# Allegro board RK_EVB7_RK3588_LP4XD200P232SD8_V11_20230111YWQ.brd (continued)
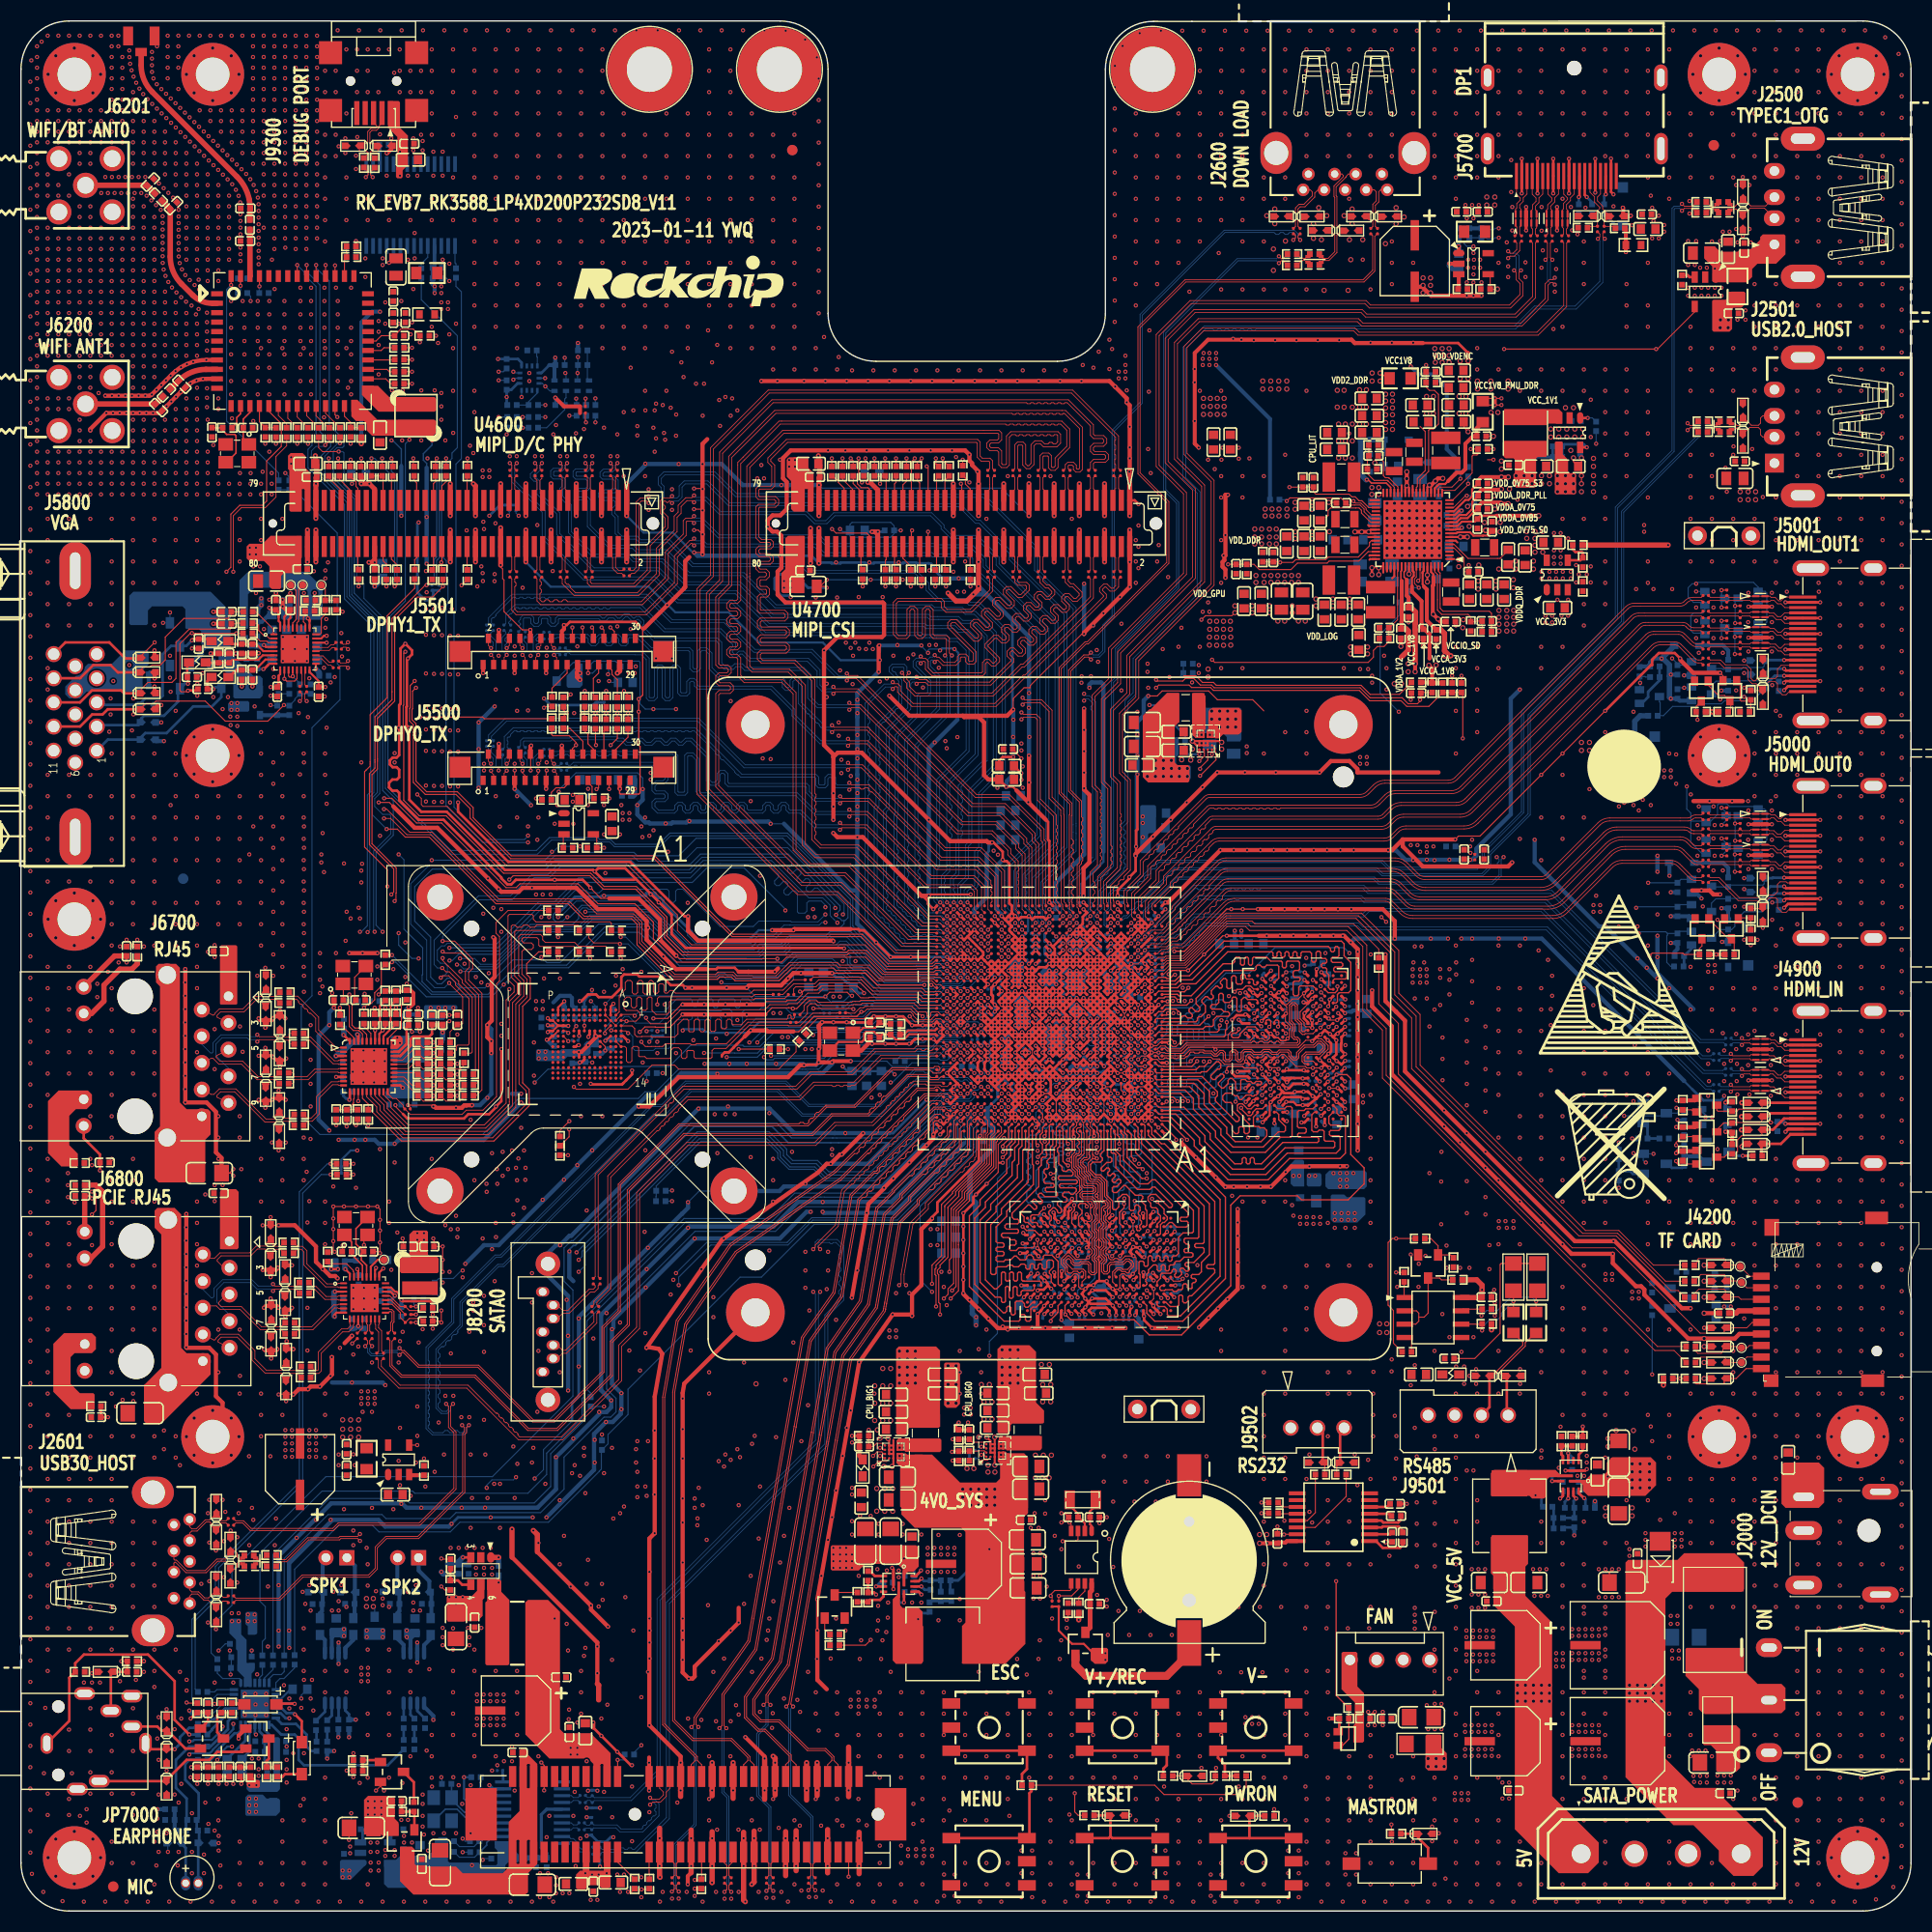
[diagram p0: board, top side]
## Routing (per net, layer and track width the routed paths; a pad name or vN(x,y) marks a point on that pad's centre or on a via; arc(x,y) is an arc through that point) (continued)
DP1_TX1N_PORT: length 6.1
  TOP w0.076: J5700.6 144.93,163.52 144.57,163.16 144.57,162.71 144.23,162.37 144.23,162.03 144.34,161.92 U5700.6 U5700.5 144.34,160.3 144.23,160.19 144.23,159.71 C5702.2
DP1_TX1P: length 104.1
  TOP w0.076: C5704.1 145.37,158.86 145.37,157.45 v1(145.19,157.26) ; v1(146.08,154.89) 145.89,155.08 145.67,155.08 145.44,154.85 145.44,153.44 142.94,150.94 127.7,150.94 127.42,151.22 127.27,151.37 112.23,151.37 110.13,149.27 110.13,138.39 112.72,135.8 112.72,126.58 105.59,119.45 105.59,115.89 104.04,114.34 104.04,108.12 104.7,107.46 104.7,104.54 104.79,104.45 104.79,104.22 104.7,104.13 104.7,103.9 104.79,103.81 104.79,103.58 104.7,103.49 104.7,103.3 104.8,103.2 104.8,102.97 104.7,102.87 104.7,102.64 104.8,102.54 104.8,102.31 104.7,102.21 104.7,101.98 104.8,101.87 104.8,101.65 104.7,101.54 104.7,101.32 104.8,101.21 104.8,100.99 104.7,100.88 104.7,100.66 104.8,100.55 104.8,100.33 104.7,100.22 104.7,100 104.8,99.89 104.8,99.67 104.7,99.56 104.7,99.25 103.38,97.93 103.38,96.09 103.45,96.02 103.45,95.74 U1000.AP9
  BOTTOM w0.076: v1(146.08,154.89) 145.89,155.08 145.61,155.08 145.37,155.32 145.37,157.07 v1(145.19,157.26)
DP1_TX1P_PORT: length 6.1
  TOP w0.076: J5700.4 143.93,163.5 144.29,163.14 144.29,162.82 143.95,162.49 143.95,162.06 143.84,161.95 U5700.7 U5700.4 143.84,160.3 143.95,160.19 143.95,159.72 C5701.2
DP1_TX2N: length 102
  TOP w0.076: U1000.AP10 102.82,98.39 103.78,99.35 103.78,99.6 103.91,99.73 103.91,99.96 103.78,100.09 103.78,100.32 103.91,100.44 103.91,100.67 103.78,100.8 103.78,101.03 103.91,101.15 103.91,101.38 103.78,101.51 103.78,106.99 103.17,107.6 103.17,115.33 104.72,116.88 104.72,119.8 111.86,126.94 111.86,135.44 109.25,138.05 109.25,149.67 111.82,152.23 127.63,152.23 128.05,151.81 142.41,151.81 144.23,153.63 144.23,158.86 C5702.1
DP1_TX2N_PORT: length 6.2
  TOP w0.076: J5700.9 146.43,163.52 146.07,163.16 146.07,162.76 145.68,162.37 145.68,162.11 145.79,162 U5701.9 U5701.2 145.79,160.41 145.68,160.3 145.68,159.69 C5705.2
DP1_TX2P: length 102.5
  TOP w0.076: U1000.AN10 102.53,95.37 102.53,95.85 102.54,95.86 102.54,98.5 103.51,99.47 103.51,106.87 102.9,107.48 102.9,115.45 104.44,117 104.44,119.92 111.58,127.05 111.58,135.33 108.97,137.93 108.97,149.78 111.7,152.51 127.75,152.51 128.17,152.09 142.29,152.09 143.95,153.75 143.95,158.86 C5701.1
DP1_TX2P_PORT: length 6.2
  TOP w0.076: C5704.2 145.4,159.74 145.4,160.23 145.29,160.34 U5701.1 U5701.10 145.29,162 145.4,162.11 145.4,162.49 145.79,162.88 145.79,163.14 145.43,163.5 J5700.7
DP1_TX3N: length 104.1
  TOP w0.076: U1000.AN11 101.83,95.42 101.83,98.94 102.51,99.62 102.51,106.59 102.01,107.1 102.01,115.78 103.58,117.36 103.58,120.28 110.71,127.41 110.71,134.97 108.11,137.57 108.11,150.14 111.34,153.37 128.1,153.37 128.53,152.95 141.76,152.95 142.75,153.94 142.75,155.01 142.39,155.37 142.39,156.06 v1(142.2,156.25) ; C5703.1 142.73,158.86 142.73,158.12 142.22,157.6 141.82,157.6 v1(141.63,157.42)
  BOTTOM w0.076: v1(142.2,156.25) 142.39,156.44 142.39,157.53 142.31,157.6 141.82,157.6 v1(141.63,157.42)
DP1_TX3N_PORT: length 6.2
  TOP w0.076: C5707.2 147.18,159.74 147.18,160.19 147.29,160.3 U5701.5 U5701.6 147.29,162 147.19,162.1 147.19,162.51 147.57,162.89 147.57,163.16 147.93,163.52 J5700.12
DP1_TX3P: length 104.6
  TOP w0.076: v1(142.85,156.25) 142.67,156.06 142.67,155.48 143.03,155.12 143.03,153.82 141.87,152.67 128.41,152.67 127.99,153.09 111.46,153.09 108.39,150.02 108.39,137.69 110.99,135.09 110.99,127.29 103.86,120.16 103.86,117.24 102.29,115.67 102.29,107.22 102.79,106.71 102.79,106.52 102.9,106.42 102.9,106.19 102.79,106.09 102.79,105.96 102.9,105.86 102.9,105.63 102.79,105.53 102.79,105.3 102.9,105.2 102.9,104.97 102.79,104.87 102.79,104.64 102.9,104.54 102.9,104.31 102.79,104.21 102.79,103.98 102.9,103.88 102.9,103.65 102.79,103.55 102.79,103.32 102.9,103.22 102.9,102.99 102.79,102.89 102.79,102.66 102.9,102.56 102.9,102.33 102.79,102.23 102.79,101.93 102.92,101.81 102.92,101.58 102.79,101.45 102.79,101.22 102.92,101.09 102.92,100.87 102.79,100.74 102.79,100.51 102.92,100.38 102.92,100.15 102.79,100.03 102.79,99.51 102.11,98.82 102.11,98.08 102.26,97.92 102.26,97.69 102.11,97.54 102.11,97.31 102.26,97.16 102.26,96.93 102.11,96.78 102.11,96.55 102.26,96.4 102.26,96.17 102.11,96.02 102.11,95.79 U1000.AP11 ; C5700.1 142.45,158.86 142.45,158.23 142.11,157.88 141.82,157.88 v1(141.63,158.07)
  BOTTOM w0.076: v1(142.85,156.25) 142.67,156.44 142.67,157.64 142.43,157.88 141.82,157.88 v1(141.63,158.07)
DP1_TX3P_PORT: length 6.2
  TOP w0.076: C5706.2 146.9,159.69 146.9,160.25 146.79,160.36 U5701.4 U5701.7 146.79,162 146.91,162.12 146.91,162.63 147.29,163.01 147.29,163.14 146.93,163.5 J5700.10
DP_AUXN: length 1.7
  TOP w0.076: U5800.14 26.68,117.88 26.76,117.8 26.76,116.82 C5800.2
DP_AUXP: length 1.7
  TOP w0.076: U5800.15 27.08,117.9 27.04,117.86 27.04,116.78 C5801.2
DP_RX0N: length 2
  TOP w0.076: U5800.19 28.3,119.59 28.36,119.53 28.76,119.53 29.37,118.92 29.63,118.92 C5809.2
DP_RX0P: length 2
  TOP w0.076: C5808.2 29.51,118.64 29.26,118.64 28.64,119.25 28.43,119.25 28.37,119.19 U5800.18
DP_RX1N: length 2.1
  TOP w0.076: U5800.21 28.39,120.39 28.45,120.34 29.25,120.34 29.5,120.59 29.78,120.59 C5816.2
DP_RX1P: length 2.1
  TOP w0.076: C5810.2 29.87,120.31 29.62,120.31 29.36,120.06 28.47,120.06 28.41,119.99 U5800.20
DP_TX_AUXN: length 6.8
  TOP w0.076: J5700.17 150.43,163.52 150.14,163.24 150.14,162.87 150.64,162.37 150.64,162.1 ED5700.1 150.77,160.85 C5709.2 151.67,160.44 R5703.2
DP_TX_AUXP: length 6.7
  TOP w0.076: R5700.2 149.32,160.44 C5708.2 150.14,160.96 ED5701.1 150.36,162.15 150.36,162.25 149.86,162.75 149.86,163.26 149.43,163.69 J5700.15
DP_TX_HPD_PORT: length 2.8
  TOP w0.254: v1(150.93,163.49) J5700.18
  BOTTOM w0.254: v1(150.93,163.49) 150.77,163.34 R5706.2
DPHY0_RX_CLKN: length 2.5
  TOP w0.076: R4608.2 51.82,136.52 51.82,135.44 52.08,135.18 U4600.15
DPHY0_RX_CLKP: length 2.5
  TOP w0.076: U4600.17 51.28,135.12 51.54,135.38 51.54,136.52 R4610.2
DPHY0_RX_D0N: length 2.5
  TOP w0.076: U4600.3 56.88,135.21 56.62,135.47 56.62,136.52 R4600.2
DPHY0_RX_D0P: length 2.5
  TOP w0.076: R4602.2 56.34,136.51 56.34,135.48 56.08,135.22 U4600.5
DPHY0_RX_D1N: length 2.5
  TOP w0.076: R4604.2 54.22,136.52 54.22,135.46 54.48,135.19 U4600.9
DPHY0_RX_D1P: length 2.5
  TOP w0.076: R4606.2 53.94,136.52 53.94,135.49 53.68,135.23 U4600.11
DPHY0_RX_D2N: length 2.5
  TOP w0.076: R4612.2 49.6,136.43 49.42,136.26 49.42,135.43 49.68,135.17 U4600.21
DPHY0_RX_D2P: length 2.5
  TOP w0.076: R4614.2 48.96,136.43 49.14,136.26 49.14,135.39 48.88,135.13 U4600.23
DPHY0_RX_D3N: length 2.5
  TOP w0.076: R4616.2 47.02,136.52 47.02,135.42 47.28,135.16 U4600.27
DPHY0_RX_D3P: length 2.5
  TOP w0.076: U4600.29 46.48,135.14 46.74,135.4 46.74,136.52 R4618.2
DPHY0_RX_MCLK: length 2.3
  TOP w0.104: U4600.39 42.48,136.64 R4620.2
DPHY0_TX_CLKN: length 2.4
  TOP w0.076: J5500.8 47.51,109.51 v1(47.76,109.26)
  BOTTOM w0.076: v1(47.76,109.26) 47.85,109.26 47.92,109.33 47.92,109.5 47.6,109.82 47.6,110.1 R5504.1
DPHY0_TX_CLKP: length 3.1
  TOP w0.076: v1(47.76,108.6) 47.76,108.39 48.01,108.14 J5500.9
  BOTTOM w0.076: R5505.2 47.88,110.16 47.88,109.93 48.2,109.61 48.2,109.04 v1(47.76,108.6)
DPHY0_TX_D0N: length 3
  TOP w0.076: v1(44.76,109.26) 44.51,109.51 J5500.2
  BOTTOM w0.076: v1(44.76,109.26) 44.96,109.45 44.96,109.8 44.5,110.25 44.5,110.79 R5501.1
DPHY0_TX_D0P: length 3.8
  TOP w0.076: J5500.3 45.01,108.22 44.76,108.47 v1(44.76,108.6)
  BOTTOM w0.076: v1(44.76,108.6) 45.24,109.08 45.24,109.91 44.78,110.37 44.78,110.74 R5500.2
DPHY0_TX_D1N: length 2.8
  TOP w0.076: v1(46.26,108.6) 46.01,108.35 J5500.5
  BOTTOM w0.076: R5502.2 45.87,109.9 45.82,109.84 45.82,109.04 v1(46.26,108.6)
DPHY0_TX_D1P: length 2.1
  TOP w0.076: J5500.6 46.51,109.51 v1(46.26,109.26)
  BOTTOM w0.076: R5503.1 46.1,109.72 46.1,109.42 v1(46.26,109.26)
DPHY0_TX_D2N: length 3.8
  TOP w0.076: J5500.11 49.01,108.08 49.26,108.33 v1(49.26,108.6)
  BOTTOM w0.076: v1(49.26,108.6) 49.25,108.6 48.79,109.06 48.79,109.8 49.38,110.39 49.57,110.39 R5506.2
DPHY0_TX_D2P: length 2.5
  TOP w0.076: v1(49.26,109.26) 49.51,109.51 J5500.12
  BOTTOM w0.076: R5507.1 49.7,110.11 49.49,110.11 49.07,109.69 49.07,109.39 49.2,109.26 v1(49.26,109.26)
DPHY0_TX_D3N: length 1.9
  TOP w0.076: J5500.14 50.51,109.51 v1(50.76,109.26)
  BOTTOM w0.076: R5508.1 51.25,109.07 50.95,109.07 v1(50.76,109.26)
DPHY0_TX_D3P: length 1.9
  TOP w0.076: J5500.15 51.01,108.35 v1(50.76,108.6)
  BOTTOM w0.076: R5509.2 51.33,108.79 50.95,108.79 v1(50.76,108.6)
DPHY1_RX_CLKN: length 2.6
  TOP w0.076: R4609.1 51.82,127.72 51.82,128.9 52.08,129.16 U4600.16
DPHY1_RX_CLKP: length 2.6
  TOP w0.076: R4611.1 51.54,127.72 51.54,128.89 51.28,129.15 U4600.18
DPHY1_RX_D0N: length 3.1
  TOP w0.076: R4601.1 57.31,127.68 56.92,127.68 56.62,127.98 56.62,128.9 56.88,129.16 U4600.4
DPHY1_RX_D0P: length 3.6
  TOP w0.076: U4600.6 56.08,129.15 56.34,128.89 56.34,127.86 56.81,127.4 57.2,127.4 R4603.1
DPHY1_RX_D1N: length 2.6
  TOP w0.076: R4605.1 54.22,127.72 54.22,128.9 54.48,129.16 U4600.10
DPHY1_RX_D1P: length 2.6
  TOP w0.076: U4600.12 53.68,129.15 53.94,128.89 53.94,127.72 R4607.1
DPHY1_RX_D2N: length 2.6
  TOP w0.076: U4600.22 49.68,129.2 49.42,128.94 49.42,127.72 R4613.1
DPHY1_RX_D2P: length 2.6
  TOP w0.076: U4600.24 48.88,129.24 49.14,128.98 49.14,127.72 R4615.1
DPHY1_RX_D3N: length 2.6
  TOP w0.076: R4617.1 47.02,127.72 47.02,128.95 47.28,129.21 U4600.28
DPHY1_RX_D3P: length 2.6
  TOP w0.076: U4600.30 46.48,129.22 46.74,128.96 46.74,127.72 R4619.1
DPHY1_RX_MCLK: length 2.2
  TOP w0.104: U4600.40 42.48,127.76 R4621.1
DPHY1_TX_CLKN: length 2.4
  TOP w0.076: v1(47.76,120.28) 47.51,120.53 J5501.8
  BOTTOM w0.076: R5534.1 47.6,121.12 47.6,120.87 47.92,120.54 47.92,120.36 47.85,120.28 v1(47.76,120.28)
DPHY1_TX_CLKP: length 3.1
  TOP w0.076: v1(47.76,119.63) 48.01,119.38 J5501.9
  BOTTOM w0.076: R5535.2 47.88,121.18 47.88,120.98 48.2,120.66 48.2,120.07 v1(47.76,119.63)
DPHY1_TX_D0N: length 3
  TOP w0.076: J5501.2 44.51,120.53 v1(44.76,120.28)
  BOTTOM w0.076: v1(44.76,120.28) 44.96,120.48 44.96,120.83 44.45,121.34 44.45,121.86 R5531.1
DPHY1_TX_D0P: length 3.9
  TOP w0.076: v1(44.76,119.63) 45.01,119.38 J5501.3
  BOTTOM w0.076: R5530.2 44.73,121.71 44.73,121.45 45.24,120.95 45.24,120.1 v1(44.76,119.63)
DPHY1_TX_D1N: length 3.8
  TOP w0.076: J5501.5 46.01,119.38 v1(46.26,119.63)
  BOTTOM w0.076: R5532.2 46.18,121.79 46.18,121.64 45.82,121.29 45.82,120.05 46.25,119.63 v1(46.26,119.63)
DPHY1_TX_D1P: length 3.2
  TOP w0.076: v1(46.26,120.28) 46.51,120.53 J5501.6
  BOTTOM w0.076: v1(46.26,120.28) 46.1,120.44 46.1,120.56 46.25,120.71 46.25,120.82 46.1,120.97 46.1,121.17 46.25,121.33 46.38,121.33 46.46,121.4 46.46,121.79 R5533.1
DPHY1_TX_D2N: length 4.1
  TOP w0.076: J5501.11 49.01,119.38 v1(49.26,119.63)
  BOTTOM w0.076: v1(49.26,119.63) 49.25,119.63 48.79,120.09 48.79,121.27 49.14,121.62 49.65,121.62 R5536.2
DPHY1_TX_D2P: length 3.4
  TOP w0.076: v1(49.26,120.28) 49.51,120.53 J5501.12
  BOTTOM w0.076: R5537.1 49.62,121.34 49.26,121.34 49.07,121.15 49.07,121.02 49.14,120.94 49.3,120.94 49.36,120.88 49.36,120.75 49.3,120.69 49.17,120.69 49.07,120.58 49.07,120.36 49.14,120.28 v1(49.26,120.28)
DPHY1_TX_D3N: length 1.7
  TOP w0.076: J5501.14 50.51,120.53 v1(50.76,120.28)
  BOTTOM w0.076: v1(50.76,120.28) 50.88,120.16 51.22,120.16 R5538.1
DPHY1_TX_D3P: length 1.7
  TOP w0.076: J5501.15 51.01,119.38 v1(50.76,119.63)
  BOTTOM w0.076: v1(50.76,119.63) 50.89,119.76 51.23,119.76 R5539.2
DPHY_HSYNC: length 3.4
  TOP w0.104: U4600.59 34.48,136.58 R4642.2 R4651.2
DPHY_VSYNC: length 2.4
  TOP w0.104: U4600.57 35.28,136.55 R4630.2
EMMC_CLKOUT: length 29.9
  TOP w0.086: v1(52.65,78.49) 52.87,78.27 57.81,78.27 60.1,80.56 62.26,80.56 62.64,80.18 72.16,80.18 73.81,81.83 73.81,82.59 R1317.2 ; U4000.M6 52.12,82.85 v1(52.12,82.84)
  L3-POWER1 w0.079: v1(52.12,82.84) 52.35,82.6 52.35,78.79 v1(52.65,78.49)
  BOTTOM w0.086: C4005.1 52.2,82.92 v1(52.12,82.84)
EMMC_CMD: length 24.8
  TOP w0.086: v1(52.12,83.63) 51.93,83.82 U4000.M5 ; R1310.2 73.29,84.65 69.23,84.65 67.18,82.59 64.32,82.59 64.22,82.49 63.85,82.49 63.75,82.59 61.37,82.59 61.11,82.34 60.78,82.34 60.78,82.33 60.41,82.33 60.41,82.34 60.03,82.34 60.03,82.33 59.66,82.33 59.66,82.34 59.46,82.34 59.08,82.71 v1(59.08,82.78)
  L6-S2 w0.079: v1(59.08,82.78) 58.45,83.42 58.45,83.6 58,84.05 56.86,84.05 56.41,84.5 54.67,84.5 54.03,83.86 53.09,83.86 53.06,83.83 52.7,83.83 52.67,83.86 52.35,83.86 v1(52.12,83.63)
  BOTTOM w0.086: v1(52.12,83.63) 52.03,83.71 R4000.2
EMMC_CMD/FSPI_CLK: length 14.9
  TOP w0.086: 79.58,86.33 79.31,86.33 79.24,86.25 75.8,86.25 75.65,86.41 75.28,86.41 75.27,86.4 75.16,86.4 74.89,86.13 74.89,85.45 74.07,84.62 73.81,84.62
  TOP w0.089: U1000.W34 85.51,85.98 85.05,86.44 80.1,86.44 80,86.33 79.58,86.33
EMMC_D0: length 28.7
  TOP w0.086: U4000.A3 57.6,84.82 v1(57.67,84.74) 58.57,84.74 58.95,85.13 58.95,85.51 58.7,85.77 57.63,85.77 57.43,85.97 57.43,86.78 57.68,87.04 57.96,87.04 58.11,86.88 58.11,86.17 58.26,86.02 58.48,86.02 58.63,86.17 58.63,86.88 58.78,87.04 58.97,87.04 59.12,86.88 59.12,85.93 59.27,85.78 59.49,85.78 59.64,85.93 59.64,86.88 59.79,87.04 60.01,87.04 60.1,86.95 60.1,85.77 60.48,85.38 61.49,85.38 61.75,85.64 61.75,86.57 61.96,86.78 69.78,86.78 69.9,86.91 72.73,86.91 73.09,87.27 R1306.2
  BOTTOM w0.086: v1(57.67,84.74) 57.18,84.25 R4001.2
EMMC_D0/FSPI_D0: length 15.8
  TOP w0.086: 80.16,88.18 79.94,88.4 76.09,88.4 75.71,88.02 75.51,88.02 73.78,88.02 73.59,87.83 73.59,87.28 R1306.1
  TOP w0.089: U1000.Y33 87.57,86.92 85.9,86.92 85.51,87.32 81.03,87.32 80.16,88.18
EMMC_D1: length 27.8
  TOP w0.086: R1307.2 73.68,85.37 73.68,85.07 73.55,84.94 73.43,84.94 73.35,85.03 73.35,85.26 73.26,85.34 73.13,85.34 73.05,85.26 73.05,85.05 72.94,84.94 69.11,84.94 68.58,84.4 67.8,84.4 67.72,84.49 67.72,84.75 67.53,84.94 67.34,84.94 67.19,84.78 67.19,84.14 67.07,84.02 66.79,84.02 66.67,84.14 66.67,84.78 66.52,84.94 66.31,84.94 66.15,84.78 66.15,83.89 66.04,83.77 65.75,83.77 65.64,83.89 65.64,84.78 65.48,84.94 65.3,84.94 65.14,84.78 65.14,83.89 64.99,83.73 64.78,83.73 64.63,83.89 64.63,84.78 64.47,84.94 64.26,84.94 64.11,84.78 64.11,83.82 64.02,83.73 63.68,83.73 63.59,83.82 63.59,84.78 63.44,84.94 63.08,84.94 62.57,84.43 62.57,83.54 62.26,83.23 60.78,83.23 60.78,83.23 60.41,83.23 60.41,83.23 60.09,83.23 60.03,83.29 59.14,83.29 59.12,83.27 58.65,83.27 58.45,83.48 58.45,84.04 58.19,84.3 57.17,84.3 U4000.A4
EMMC_D1/FSPI_D1: length 15
  TOP w0.086: R1307.1 74.57,85.77 74.57,86.22 75.04,86.69 75.15,86.69 75.16,86.69 75.77,86.69 75.92,86.54 79.12,86.54 79.19,86.62 79.43,86.62 79.43,86.62 79.87,86.62
  TOP w0.089: U1000.W33 87.57,86.27 87.34,86.27 87.34,86.27 87.09,86.27 87.09,86.27 85.63,86.27 85.18,86.73 79.98,86.73 79.87,86.62
EMMC_D2: length 27
  TOP w0.086: U4000.A5 57.61,83.82 v1(57.82,83.61)
  BOTTOM w0.086: R1308.2 73.3,85.13 73.18,85 70,85 68.99,83.99 66.95,83.99 66.7,84.24 66.7,85.05 66.5,85.26 65.81,85.26 65.68,85.13 65.68,84.96 65.6,84.88 64.6,84.88 64.45,85.03 64.45,85.36 64.3,85.51 64.08,85.51 63.93,85.36 63.93,85.03 63.78,84.88 62.47,84.88 62.26,84.66 62.26,82.72 61.69,82.15 60.42,82.15 60.23,81.96 58.48,81.96 58.26,82.17 58.26,83.28 57.94,83.61 v1(57.82,83.61)
EMMC_D2/FSPI_D2: length 10.8
  TOP w0.089: U1000.V32 v1(88.19,85.65)
  BOTTOM w0.086: 78.25,85.13 78.78,85.13 79.01,84.9 80.34,84.9 80.78,85.34 80.78,85.38 81.04,85.65 81.08,85.65 81.09,85.65 86.41,85.65 86.42,85.65 v1(88.19,85.65)
EMMC_D3: length 28.5
  TOP w0.086: R1309.2 73.56,88.69 72.57,87.7 69.78,87.7 69.49,87.42 62.33,87.42 62.07,87.67 61.81,87.67 61.55,87.42 61.37,87.42 61.24,87.54 61.24,88.18 61.11,88.31 60.82,88.31 60.73,88.22 60.73,87.54 60.59,87.4 60.37,87.4 60.22,87.54 60.22,88.48 60.08,88.62 59.91,88.62 59.76,88.47 59.76,87.48 59.61,87.33 59.39,87.33 59.24,87.48 59.24,88.47 59.09,88.62 58.88,88.62 58.72,88.47 58.72,87.48 58.57,87.33 58.36,87.33 58.21,87.48 58.21,88.47 58.05,88.62 57.75,88.62 57.55,88.43 57.55,87.77 56.97,87.2 56.97,85.64 U4000.B2
EMMC_D3/FSPI_D3: length 13.5
  TOP w0.086: 75.34,88.81 75.21,88.69 R1309.1
  TOP w0.089: 75.34,88.81 75.46,88.94 80.16,88.94 81.2,87.9 85.8,87.9 86.16,87.54 87.06,87.54 87.09,87.57 87.57,87.57 U1000.AA33
EMMC_D4: length 29.3
  TOP w0.086: v1(58.45,85.26) 58.32,85.39 57.22,85.39 U4000.B3
  BOTTOM w0.086: v1(58.45,85.26) 58.83,85.64 61.24,85.64 62.47,86.87 63.78,86.87 63.93,86.72 63.93,86.3 64.08,86.15 64.3,86.15 64.45,86.3 64.45,86.72 64.6,86.87 65.75,86.87 65.9,86.72 65.9,86.17 66.05,86.02 66.26,86.02 66.42,86.17 66.42,86.72 66.57,86.87 67.84,86.87 68,86.72 68,86.17 68.15,86.02 68.36,86.02 68.51,86.17 68.51,86.72 68.67,86.87 69.28,86.87 69.64,86.51 75.59,86.51 76.27,85.83 77.2,85.83 77.23,85.8 78.55,85.8 78.64,85.89 78.64,85.89 79.09,86.34 79.46,86.34 79.52,86.27 R1314.2
EMMC_D5: length 25.3
  TOP w0.086: v1(55.65,86.4) 55.66,86.4 55.66,85.31 U4000.B4
  BOTTOM w0.086: v1(55.65,86.4) 56.42,87.16 69.4,87.16 69.76,86.8 75.71,86.8 76.36,86.15 R1315.2
EMMC_D6: length 25.3
  TOP w0.086: U4000.B5 56.26,83.82 v1(56.21,83.87)
  BOTTOM w0.086: R1311.2 76.19,85.51 76.18,85.5 73.32,85.5 72.8,86.02 70.51,86.02 70.32,85.83 68.93,85.83 68.67,85.57 68.67,85.2 68.72,85.15 68.72,84.47 68.52,84.28 67.84,84.28 67.72,84.4 67.72,85.64 67.47,85.89 66.82,85.89 66.66,85.73 65.34,85.73 65.23,85.83 62.07,85.83 60.79,84.56 58.52,84.56 57.89,85.19 57.49,85.19 56.21,83.91 v1(56.21,83.87)
EMMC_D6/FSPI_CS0: length 12.3
  TOP w0.089: U1000.W32 v1(88.19,86.3)
  BOTTOM w0.086: v1(88.19,86.3) 87.83,85.94 81.23,85.94 81.22,85.94 80.93,85.94 80.48,85.49 80.48,85.45 80.22,85.19 79.21,85.19 78.89,85.51 R1311.1
EMMC_D7: length 30.7
  TOP w0.086: R1316.2 77.72,85.55 77.68,85.51 76.1,85.51 75.41,85.51 74.2,84.3 73.09,84.3 73.04,84.36 69.35,84.36 67.15,82.15 66.01,82.15 65.81,81.94 65.81,81.32 65.68,81.19 64.24,81.19 64.09,81.34 64.09,81.87 64.01,81.96 63.5,81.96 63.42,81.87 63.42,81.34 63.27,81.19 63.02,81.19 62.89,81.32 62.89,81.96 62.64,82.21 62.13,82.21 61.87,81.96 61.87,81.28 61.79,81.19 59.59,81.19 59.41,81.37 58.9,81.37 58.83,81.45 58.83,82.21 58.7,82.34 58.33,82.34 58.18,82.18 58.18,80.96 58.02,80.81 57.81,80.81 57.66,80.96 57.66,82.18 57.51,82.34 57.13,82.34 56.65,82.82 U4000.B6
EMMC_DATA_STROBE: length 37.4
  TOP w0.086: v1(59.53,85.07) 59.53,84.94 59.97,84.5 61.49,84.5 62.83,85.83 70.84,85.83 71.31,86.31 72.98,86.31 73.08,86.41 73.92,86.41 74.93,87.42 75.97,87.42 76.36,87.8 79.14,87.8 79.98,86.97 80.16,86.97
  TOP w0.089: U1000.Y34 85.78,86.63 85.39,87.02 80.78,87.02 80.73,86.97 80.16,86.97
  L6-S2 w0.079: v1(59.53,85.07) 59.53,85.83 59.34,86.01 56.98,86.01 56.62,85.65 55.28,85.65 v1(54.28,86.65)
  BOTTOM w0.086: R4003.1 54.66,86.27 v1(54.28,86.65)
EMMC_RSTN: length 23.5
  TOP w0.086: R1318.2 69.88,87.29 69.66,87.07 60.77,87.07 60.6,86.91 60.6,86.34 v1(60.6,86.34) ; v1(52.88,84.27) 52.65,84.05 U4000.K5
  L6-S2 w0.079: v1(52.88,84.27) 53.67,85.06 57.23,85.06 57.36,85.19 57.88,85.19 58.77,84.3 60.12,84.3 60.41,84.59 60.45,84.59 60.73,84.88 60.73,86.02 60.6,86.15 60.6,86.34 v1(60.6,86.34)
  BOTTOM w0.086: v1(52.88,84.27) 52.75,84.4 R4002.2
GMAC1_MCLKINOUT: length 7.5
  TOP w0.104: R1519.2 34.32,89.76 34.32,88.08 33.68,87.45 33.68,86.78 33.17,86.27 32.92,86.27 v1(32.66,86.02) R6710.1
  BOTTOM w0.104: C6704.1 33.23,86.59 v1(32.66,86.02) 32.1,86.59 R6712.1
GMAC1_MDC: length 89.7
  TOP w0.089: v1(88.84,86.3) U1000.Y31
  TOP w0.104: v1(32.12,77.13) U6700.13
  L3-POWER1 w0.089: 86.62,87.61 87.6,86.63 88.52,86.63 v1(88.84,86.3)
  L3-POWER1 w0.104: v1(72.8,95.29) 72.8,94.68 73.05,94.43 73.05,93.11 73.46,92.7 73.96,92.7 76.59,90.07 77.63,90.07 78.4,89.3 84.03,89.3 85.73,87.61 86.62,87.61 ; v1(32.12,77.13) 33.07,78.08 33.07,83.33 31.85,84.55 31.85,86.97 31.78,87.05 31.78,91.72 31.37,92.13 31.37,92.59 30.94,93.02 30.94,95.09 v1(31.01,95.16)
  L6-S2 w0.104: v1(31.01,95.16) 31.14,95.04 36.6,95.04 39.78,91.86 40.67,91.86 v1(40.8,91.73)
  BOTTOM w0.104: v1(72.8,95.29) 72.8,95.42 68.86,99.35 65.33,99.35 63.93,97.96 53.1,97.96 50.94,95.8 49.48,95.8 45.42,91.73 40.81,91.73 v1(40.8,91.73)
GMAC1_MDIO: length 36.7
  TOP w0.104: R1520.2 49.3,91.35 48.16,90.21 48.16,89.21 48.5,88.87 48.5,86.88 47.78,86.16 47.78,78.87 48.4,78.25 48.4,76.94 48.4,76.69 45.04,73.33 36.23,73.33 33.25,76.31 R6734.2 33.07,76.85 32.52,77.4 U6700.14
GMAC1_RSTN_L: length 82.8
  TOP w0.089: v1(90.79,86.95) U1000.AA28
  TOP w0.104: v1(31.9,74.83) 31.9,74.84 32.05,75 R6735.1
  L3-POWER1 w0.104: v1(31.9,74.83) 31.45,75.29 29.75,75.29 28.63,76.42 28.63,85.41 28.93,85.71 28.93,87.83 v1(28.71,88.05)
  L6-S2 w0.089: 86.42,87.04 87.03,87.04 87.91,87.93 89.63,87.93 89.82,87.74 89.82,87.47 90.01,87.28 90.33,87.28 90.66,86.95 v1(90.79,86.95)
  L6-S2 w0.104: v1(28.71,88.05) 34.51,88.05 35.55,87.01 44.07,87.01 46.33,89.27 55.7,89.27 56.38,88.59 56.81,88.59 56.96,88.44 62.72,88.44 62.89,88.62 65.25,88.62 66.39,87.47 73.45,87.47 74.02,88.04 80.37,88.04 81.37,87.04 86.42,87.04
GMAC1_RXCLK: length 79.1
  TOP w0.086: v1(40.78,88.38) 40.78,88.34 42.06,87.06 42.06,84.53 41.96,84.43 C6720.1 40.86,83.73 R6740.2
  TOP w0.089: v1(89.49,92.15) 89.82,91.83 U1000.AH30
  L3-POWER1 w0.079: v1(78.28,94.91) 78.32,94.91 78.77,95.36 85.17,95.36 87.4,93.13 88.33,93.13 88.52,92.94 88.52,92.67 88.71,92.48 88.98,92.48 89.3,92.15 v1(89.49,92.15)
  BOTTOM w0.086: v1(40.78,88.38) 40.32,87.92 39.4,87.92 38.63,88.69 38.63,92.46 37.11,93.99 37.11,97.83 38.89,99.61 49.94,99.61 50.83,100.51 58.26,100.51 58.77,99.99 63.1,99.99 64.37,101.26 73.02,101.26 78.39,95.89 78.39,95.04 78.26,94.91 v1(78.28,94.91)
GMAC1_RXD0: length 77
  TOP w0.086: R6736.2 42.87,81.7 42.97,81.81 42.97,87.02 41.68,88.31 41.68,88.56 41.12,89.12 40.79,89.45 40.47,89.45 v1(40.11,89.81)
  TOP w0.089: U1000.AG29 v1(90.14,91.5)
  L3-POWER1 w0.079: v1(90.14,91.5) 89.82,91.83 89.82,92.29 89.63,92.48 89.36,92.48 89.17,92.67 89.17,92.94 88.98,93.13 88.71,93.13 88.52,93.32 88.52,93.59 88.33,93.78 88.06,93.78 88.04,93.76 87.41,93.76 85.5,95.67 77.7,95.67 v1(77.55,95.52)
  BOTTOM w0.086: v1(77.55,95.52) 77.5,95.58 77.5,95.79 75.86,97.43 75.6,97.43 75.23,97.05 74.97,97.05 74.79,97.24 74.79,97.5 75.16,97.87 75.16,98.13 74.97,98.31 74.72,98.31 74.34,97.94 74.09,97.94 73.9,98.12 73.9,98.38 74.27,98.75 74.27,99.01 74.09,99.19 73.83,99.19 73.46,98.82 73.2,98.82 73.02,99.01 73.02,99.26 73.39,99.64 73.39,99.89 72.93,100.35 64.84,100.35 63.66,99.18 58.21,99.18 57.62,99.76 51.24,99.76 50.19,98.72 48.67,98.72 46.63,96.69 43.58,96.69 39.34,92.45 39.34,90.14 39.67,89.81 v1(40.11,89.81)
GMAC1_RXD1: length 74.6
  TOP w0.086: R6737.2 43.28,79.88 43.28,87.15 42.02,88.41 42.02,88.67 40.7,89.99 40.69,89.99 40.16,90.53 v1(40.16,90.76)
  TOP w0.089: v1(90.79,91.5) U1000.AG28
  L6-S2 w0.079: v1(40.16,90.76) 40.37,90.97 41.3,90.97 41.43,91.1 41.43,91.86 41.68,92.12 42.94,92.12 43.12,91.93 43.12,91.69 43.3,91.51 43.56,91.51 43.75,91.69 43.75,91.99 43.93,92.17 44.19,92.17 44.37,91.99 44.37,91.69 44.55,91.51 44.81,91.51 45,91.69 45,91.99 45.18,92.17 45.41,92.17 45.51,92.06 45.51,91.69 45.7,91.51 45.95,91.51 46.14,91.69 46.14,92.11 46.32,92.3 46.58,92.3 46.76,92.11 46.76,91.69 46.95,91.51 47.2,91.51 47.39,91.69 47.39,92.11 47.57,92.3 47.83,92.3 48.01,92.11 48.01,91.69 48.2,91.51 48.44,91.51 48.73,91.8 48.73,93.58 48.9,93.74 49.17,93.74 49.3,93.62 49.3,92.75 49.45,92.61 49.79,92.61 49.94,92.75 49.94,93.41 50.04,93.51 59.08,93.51 60.53,92.06 63.25,92.06 63.7,91.62 66.02,91.62 66.39,91.98 75.77,91.98 76.41,92.62 76.98,92.62 76.98,92.62 77.18,92.82 86.79,92.82 87.78,91.83 90.47,91.83 v1(90.79,91.5)
GMAC1_RXD2: length 78
  TOP w0.086: v1(40.16,91.37) 40.3,91.23 41.94,91.23 42.7,90.47 42.7,89.88 42.32,89.5 42.32,88.54 43.59,87.28 43.59,86.58 43.59,86.33 43.59,86.33 43.59,79.03 43.23,78.68 R6738.2
  TOP w0.089: v1(91.44,89.55) U1000.AD27
  L3-POWER1 w0.079: v1(76.61,94.91) 77.06,94.45 77.06,94.16 77.56,93.66 78.11,93.66 79.2,94.75 84.64,94.75 87.56,91.83 88.33,91.83 88.52,91.64 88.52,91.37 88.71,91.18 88.98,91.18 89.17,90.98 89.17,90.72 89.36,90.53 90.28,90.53 90.47,90.33 90.47,90.07 90.66,89.88 91.12,89.88 v1(91.44,89.55)
  BOTTOM w0.086: v1(40.16,91.37) 40.27,91.26 41.31,91.26 41.48,91.43 45.55,91.43 49.61,95.49 51.07,95.49 52.77,97.2 53.84,97.2 54.06,96.97 55.07,96.97 55.41,97.32 61.53,97.32 61.72,97.13 61.72,96.24 61.9,96.05 62.16,96.05 62.34,96.24 62.34,97.13 62.53,97.32 63.02,97.32 66.57,93.77 69.75,93.77 70.26,94.27 73.3,94.27 73.37,94.2 75.9,94.2 v1(76.61,94.91)
GMAC1_RXD3: length 79.3
  TOP w0.086: v1(40.16,92.37) 41.3,92.37 43.01,90.66 43.01,89.75 42.63,89.37 42.63,88.67 43.89,87.4 43.89,78.2 43.36,77.66 R6739.2
  TOP w0.089: v1(91.44,90.2) U1000.AE27
  L3-POWER1 w0.079: v1(91.44,90.2) 91.12,90.53 90.66,90.53 90.47,90.72 90.47,90.99 90.27,91.18 89.36,91.18 89.17,91.37 89.17,91.64 88.98,91.83 88.71,91.83 88.52,92.02 88.52,92.29 88.33,92.48 87.55,92.48 84.97,95.06 79.07,95.06 78.13,94.12 v1(77.75,94.12)
  BOTTOM w0.086: v1(77.75,94.12) 77.45,94.42 77.44,94.42 77.17,94.69 77.17,94.7 77.06,94.81 77.06,95.79 76.36,96.49 75.03,96.49 71.47,100.04 69.44,100.04 64.97,100.04 63.79,98.87 58.08,98.87 57.49,99.46 51.36,99.46 50.32,98.41 48.87,98.41 46.76,96.31 43.64,96.31 40.16,92.82 v1(40.16,92.37)